# KiCad board sun3_60_layout2_routing2.kicad_pcb (continued)
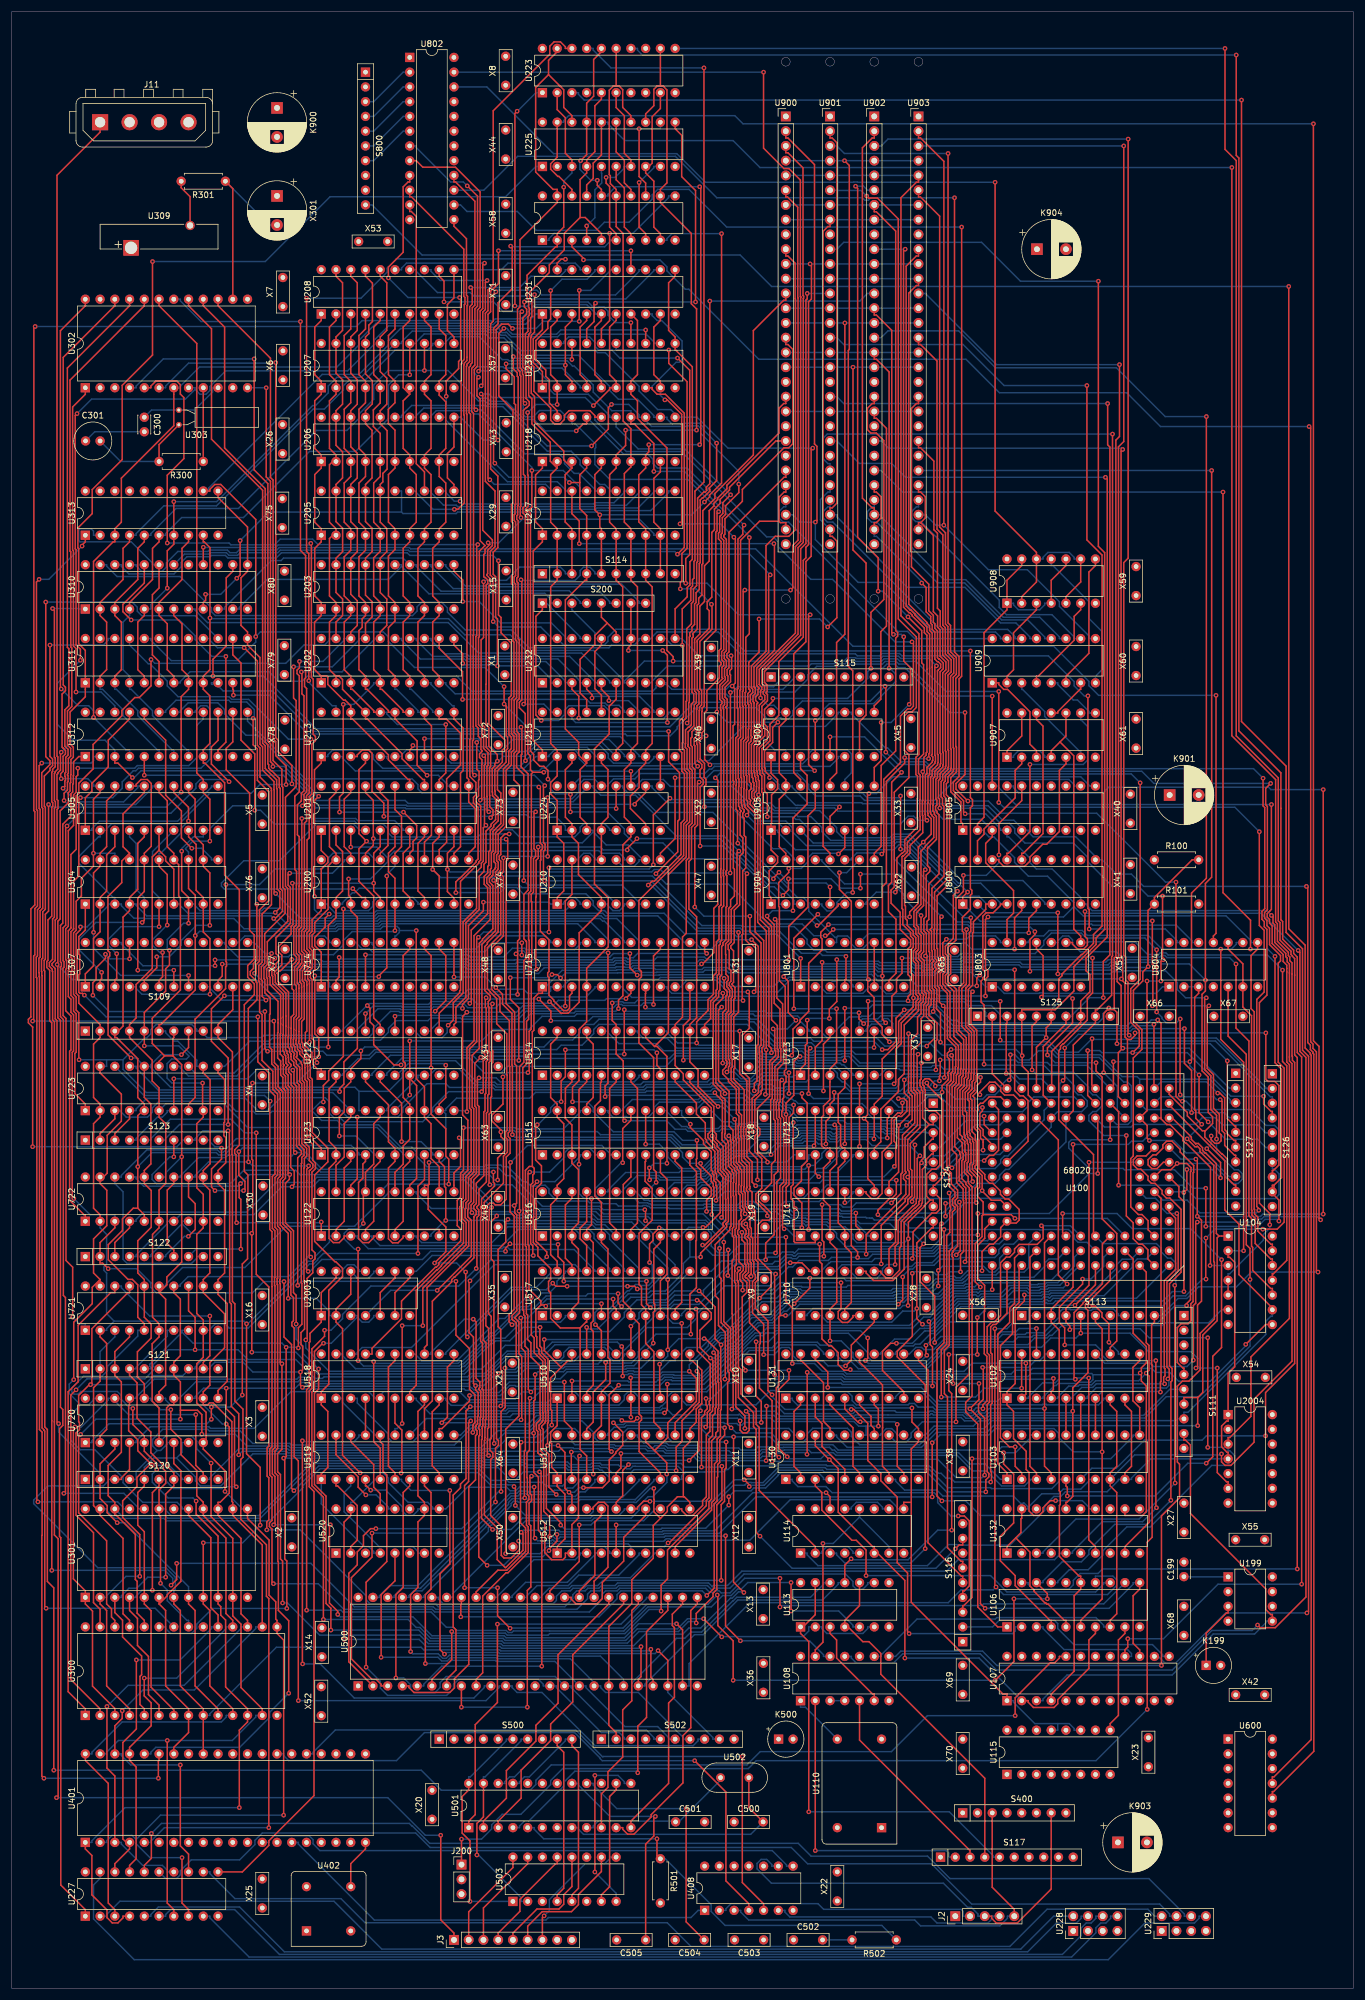
[diagram p0: board, top side]
## Routing (per net, layer and track width the routed paths; a pad name or vN(x,y) marks a point on that pad's centre or on a via; arc(x,y) is an arc through that point) (continued)
/E.CS-: length 334
  Top w0.25: U519.5 63.5,93 62.37,94.13 v1(62.37,107.91) ; v1(144.62,73.97) 143.53,72.87 U113.11 ; U516.22 96.52,136.03 95.39,134.91 95.39,125.72 96.52,124.59 U517.22 ; v1(108.42,58.84) 108.42,53.67 107.96,53.21 U500.20 ; U100.79 201.08,138.02 201.08,136.32 201.95,135.45 v1(201.95,119.98) ; v1(166.35,115.5) v1(166.35,109.14) ; v1(161.94,78.9) 161.94,102.42 161.44,102.92 v1(161.44,109.14) ; U520.15 58.42,81.43 57.26,80.28 v1(57.26,60.09)
  Bottom w0.25: U520.15 58.42,83.69 58.7,83.69 62.37,87.36 62.37,87.64 U519.5 ; v1(144.62,73.97) 144.8,73.79 154.43,73.79 159.54,78.9 v1(161.94,78.9) ; v1(201.95,119.98) 199.95,119.98 198.34,118.36 179.82,118.36 179.37,117.91 178.41,117.91 178.24,118.09 178.13,118.09 177.82,117.77 172.46,117.77 172,117.32 168.17,117.32 v1(166.35,115.5) ; v1(57.26,60.09) 70.2,60.09 71.43,58.86 84.14,58.86 84.45,58.56 108.14,58.56 v1(108.42,58.84) ; v1(166.35,109.14) v1(161.44,109.14) ; v1(62.37,107.91) 62.68,107.61 76.91,107.61 77.29,107.99 77.65,107.99 82.51,112.85 83.11,112.85 87.64,117.38 88.98,117.38 91.34,119.75 92.63,119.75 93.95,121.06 93.95,121.76 95.39,123.21 95.39,123.47 U517.22 ; U500.20 109.09,52.08 109.09,52.36 117.62,60.9 119.12,60.9 125.09,66.87 139.69,66.87 142.4,69.58 142.4,69.86 U113.11
/E.HOLD-: length 122.4
  Top w0.25: v1(63.65,57.01) 63.65,67.79 66.04,70.17 U520.5
  Bottom w0.25: 100.9,52.08 96.23,56.75 83.7,56.75 83.52,56.93 75.6,56.93 75.05,56.38 74.08,56.38 73.45,57.01 v1(63.65,57.01) ; 100.9,52.08 U500.17 ; 100.9,52.08 101.47,52.08 101.47,51.8 102.31,50.95 106.83,50.95 ; 106.83,50.95 107.96,50.95 115.71,43.2 115.71,42.92 S502.7 ; 106.83,50.95 106.83,52.57 114.55,60.28 115.95,60.28 117.03,61.35 118.86,61.35 124.25,66.74 124.32,66.74 124.92,67.34 137.62,67.34 139.86,69.58 139.86,69.86 U113.12
/E.IRQ-: length 213.1
  Top w0.25: v1(44.78,178.2) 44.6,178.03 44.6,176.21 43.92,175.53 43.92,174.04 44.07,173.89 44.07,171.78 45.89,169.96 45.89,166.85 45.89,166.85 45.89,166.25 45.89,166.25 45.89,164.6 45.83,164.54 45.83,160.19 46.34,159.68 46.34,158.95 46.35,158.94 46.35,157.23 46.73,156.86 46.73,155.05 46.83,154.95 46.83,154.95 46.92,154.86 46.92,154.79 47.17,154.54 47.17,139.49 46.72,139.04 46.72,131.63 48.1,130.25 48.1,119.39 48.55,118.94 48.55,114.96 48.28,114.69 48.28,114.09 48.67,113.7 48.67,91.54 49.39,90.82 v1(49.39,49.55)
  Bottom w0.25: v1(44.78,178.2) 43.64,178.2 41.77,180.08 U307.13 ; S502.8 118.25,42.92 118.25,42.63 117.41,41.79 100.52,41.79 91.35,50.95 87.07,50.95 86.23,51.8 86.23,52.08 U500.11 83.97,52.08 83.97,51.8 81.72,49.55 v1(49.39,49.55)
/E.REQ-: length 120.2
  Top w0.25: v1(89.53,118.96) 89.53,112.49 90.02,112.01 90.02,109.46 90.51,108.97 91.49,107.99 91.49,99.14 91.54,99.09 91.54,97.79 91.42,97.67 91.42,97.56 90.85,96.99 90.85,96.33 91.11,96.08 91.11,92.56 92.12,91.55 92.12,82.64 94.59,80.17 v1(94.59,79.77) ; v1(123.54,84.66) v1(123.54,83.21)
  Bottom w0.25: U518.14 69.71,109.22 69.71,109.01 70.66,108.06 76.72,108.06 84,115.34 84.96,115.34 88.59,118.96 v1(89.53,118.96) ; v1(94.59,79.77) 95.28,79.07 111.87,79.07 112.03,79.23 119.57,79.23 v1(123.54,83.21) ; U130.4 139.86,87.64 139.86,87.92 139.01,88.77 132.41,88.77 132.02,88.37 132.02,88.29 129.89,86.17 127.87,86.17 127.37,85.67 124.55,85.67 v1(123.54,84.66)
/EN.CAS: length 244
  Top w0.25: U804.11 207.02,181.2 207.48,181.66 v1(207.48,222.64)
  Bottom w0.25: U310.21 21.45,245.12 21.45,244.93 22.38,243.99 25.94,243.99 26.67,244.72 26.67,245.45 28.63,247.41 33.82,247.41 34.06,247.65 37.17,247.65 37.62,247.2 38.73,247.2 39.18,247.65 45.66,247.65 46.1,248.08 51.23,248.08 51.24,248.08 51.84,248.08 51.84,248.08 68.51,248.08 68.74,247.85 128.16,247.85 144.93,231.09 179.52,231.09 185.58,225.03 185.58,224.3 187.25,222.64 v1(207.48,222.64)
/EN.DEV-: length 276.3
  Top w0.25: v1(118.05,146.01) 118.05,142.87 117.95,142.78 117.95,141.67 118.71,140.91 118.71,139.58 120.53,137.76 120.53,136.52 119.72,135.72 v1(119.72,133.78) ; U102.18 v1(176.55,113.62) ; v1(157.12,128.19) 156.47,127.54 156.47,121.74 159.01,119.19 v1(159.01,111.2) ; v1(96.62,152.65) 96.62,155.18 97.74,156.3 97.74,165.11 99.06,166.43 U715.4 99.06,175.64 102.78,179.36 102.78,187.78 100.4,190.16 100.4,213.44 102.94,215.97 102.94,220.75 104.14,221.95 U232.6
  Bottom w0.25: v1(157.12,128.19) 155.04,130.26 152.71,130.26 151.27,131.7 146.15,131.7 145.65,132.2 140.89,132.2 140.66,132.42 137.07,132.42 137.07,132.42 136.99,132.42 136.79,132.62 134.18,132.62 133.85,132.96 132.49,132.96 131.69,133.75 128.06,133.75 127.23,134.58 126.49,134.58 125.88,133.97 119.91,133.97 v1(119.72,133.78) ; v1(159.01,111.2) 160.04,112.23 169.69,112.23 170.51,113.06 172.31,113.06 172.36,113.01 172.96,113.01 173.57,113.62 v1(176.55,113.62) ; U232.6 103.01,224.8 103.01,225.08 98.18,229.92 80.46,229.92 75.21,235.16 33.74,235.16 31.61,237.3 31.61,237.5 U310.8 ; v1(96.62,152.65) 99.17,152.65 100.19,151.63 100.19,150.96 103.66,147.49 114.1,147.49 115.58,146.01 v1(118.05,146.01)
/EN.E-: length 210.4
  Top w0.25: U310.16 v1(33.02,248.13) ; U519.1 53.34,88.58 54.47,89.71 54.47,99.35 53.34,100.47 U518.1 53.34,102.73 54.63,104.02 54.63,120.2 57.01,122.58 57.01,123.96 55.84,125.13 55.68,125.13 52.2,128.61 52.2,140.04 54.48,142.31 54.48,144.68 51.8,147.36 51.8,156.52 51.44,156.88 51.44,158.9 51.42,158.91 51.42,159.58 51.28,159.72 51.28,160.62 50.53,161.37 50.53,161.72 50.15,162.1 50.15,162.71 49.95,162.91 49.95,162.92 49.96,162.92 49.96,166.49 50.41,166.93 50.41,172.57 50.4,172.57 50.4,173.17 50.1,173.47 50.1,175.2 50.41,175.5 50.41,175.61 50.65,175.85 50.65,175.92 50.76,176.02 50.76,176.08 50.89,176.21 50.89,178.31 50.41,178.79 50.41,181.93 50.86,182.37 50.86,189.21 50.89,189.25 50.89,197.72 51.27,198.1 51.27,205.2 51.72,205.65 51.72,214.22 52.34,214.84 52.34,215.55 51.95,215.94 51.95,225.42 51.64,225.73 51.64,248.7 v1(51.54,248.81)
  Bottom w0.25: U519.1 53.34,83.44 60.71,76.07 61.53,76.07 62.37,75.22 62.37,74.94 U520.4 ; v1(51.54,248.81) 51.27,248.54 45.91,248.54 45.48,248.1 33.05,248.1 v1(33.02,248.13)
/EN.UART-: length 336.8
  Top w0.25: U311.11 38.1,223.67 38.21,223.56 v1(38.21,222.67) ; v1(150.6,212.85) 150.6,224.08 v1(150.46,224.21) ; v1(189.02,111.25) 189.02,114.43 187.83,115.62 187.83,116.32 186.68,117.47 v1(185.7,117.47) ; v1(216.89,207.47) 216.03,206.62 216.03,203.8 216.32,203.51 216.32,185.72 215.84,185.24 215.84,184.26 216.24,183.86 216.24,182.99 216.69,182.53 216.69,179.72 218.59,177.83 218.59,176.92 218.19,176.53 218.19,159.47 219.21,158.44 219.21,131.93 218.01,130.73 v1(215.53,130.73) ; v1(205.74,129.2) 205.7,129.15 205.7,122.17 v1(205.75,122.12)
  Bottom w0.25: v1(150.6,212.85) 152.71,210.74 157.29,210.74 158.47,209.56 194.68,209.56 196.76,207.47 v1(216.89,207.47) ; v1(185.7,117.47) 198.31,117.47 200.08,119.24 202.25,119.24 205.14,122.12 v1(205.75,122.12) ; v1(38.21,222.67) 44.38,222.67 51.06,215.99 105.71,215.99 106.01,215.68 113.46,215.68 114.64,216.86 114.64,217.2 117.95,220.51 128.24,220.51 130.16,218.59 131.53,218.59 131.71,218.77 132.5,218.77 132.69,218.58 133.87,218.58 134.56,219.27 134.56,219.99 136.23,221.66 147.91,221.66 v1(150.46,224.21) ; v1(205.74,129.2) 207.27,130.73 v1(215.53,130.73) ; U102.12 190.66,109.22 190.66,109.61 v1(189.02,111.25)
/Ethernet/A0: length 708.9
  Top w0.25: U230.1 91.44,278.37 89.86,279.95 89.86,284 91.44,285.58 U231.1 ; U300.10 35.56,48.13 31.61,52.08 31.61,65.07 30.48,66.19 U301.8 ; U510.2 v1(96.52,104.59) ; 167.36,133.22 172.18,133.22 v1(172.83,132.58) ; 167.36,133.22 167.36,135.4 166.42,136.33 166.42,137.62 166.74,137.94 166.74,139.74 166.29,140.19 166.29,140.22 165.5,141.01 165.5,141.76 165.72,141.98 165.72,145.67 165.55,145.84 165.55,146.38 165.12,146.81 165.12,147.2 164.99,147.32 164.99,147.67 164.98,147.68 164.98,151.61 164.99,151.62 164.99,152.73 164.73,152.99 164.73,154.09 165.36,154.72 165.36,154.76 165.45,154.85 165.45,156.11 165.73,156.39 165.73,157.35 165.81,157.43 165.81,164.78 164.81,165.78 164.81,172 165.54,172.74 165.54,181.69 165.68,181.84 165.68,183.67 167.8,185.78 167.8,186.7 U800.3 ; 167.36,133.22 167.18,133.04 167.18,129.43 165.99,128.25 165.99,121.65 v1(166.88,120.76) ; v1(8.1,97.24) 7.82,97.51 7.82,166.63 7.51,166.94 7.51,175.61 6.96,176.16 6.96,176.44 7.51,176.99 7.51,183.93 7.82,184.25 7.82,202.99 7.99,203.16 7.99,204.52 7.82,204.69 7.82,209.01 7.96,209.15 7.96,209.3 8.42,209.75 8.42,212.71 v1(8.55,212.85) ; v1(11.85,228.68) 11.85,230.58 11.1,231.33 11.1,247.72 10.96,247.85 10.96,270.83 v1(11.27,271.14) ; v1(18.19,80.18) 16.46,81.9 16.46,83.14 15.24,84.36 S120.2 15.24,90.31 17.78,92.85 U720.3 ; v1(107.34,203.87) 107.34,204.01 109.22,205.89 U224.10 ; v1(20.81,208.47) 18.31,210.97 17.78,210.97 U312.3
  Bottom w0.25: v1(11.27,271.14) 13.78,273.65 29.94,273.65 31.61,275.32 ; U100.30 188.75,132.58 v1(172.83,132.58) ; U800.3 167.99,186.7 166.64,188.04 162.79,188.04 158.16,192.66 158.16,192.92 153.7,197.38 152.47,197.38 151.84,196.76 136.9,196.76 134.49,199.17 134.49,199.87 133.36,201 128.72,201 125.54,204.18 112.91,204.18 110.35,206.74 110.35,207.02 U224.10 ; 10.59,214.92 8.55,212.87 v1(8.55,212.85) ; 10.59,214.92 16.09,214.92 17.78,213.23 U312.3 ; 10.59,214.92 7.81,217.7 7.81,224.64 v1(11.85,228.68) ; U231.1 90.31,288.3 88.56,286.55 84.22,286.55 83.92,286.25 83.38,286.25 83.15,286.02 82.41,286.02 82.18,286.25 64.92,286.25 62.37,283.7 62.37,283 57.88,278.51 36.87,278.51 34.16,275.8 34.16,275.15 33.49,274.47 32.45,274.47 31.61,275.32 ; 31.61,275.32 31.61,275.6 U302.8 ; v1(8.1,97.24) 8.1,95.81 15.14,88.77 15.24,88.77 S120.2 ; v1(18.19,80.18) 19.46,80.18 30.48,69.16 U301.8 ; v1(107.34,203.87) 92.85,203.87 92.75,203.77 81.71,203.77 81.35,203.41 80.25,203.41 80.09,203.57 68.13,203.57 67.99,203.71 52.73,203.71 51.66,204.78 51.66,205.06 47.08,209.64 22.29,209.64 21.12,208.47 v1(20.81,208.47) ; v1(166.88,120.76) 166.48,120.35 165.43,120.35 165.38,120.3 164.6,120.3 164.39,120.09 162.09,120.09 158.03,116.04 156.57,116.04 154.69,114.15 128.75,114.15 127.44,112.84 127.43,112.84 126.74,112.15 126.74,112.14 124.71,110.11 124.07,110.11 123.81,109.85 123.65,109.85 118.88,105.08 113.97,105.08 113.83,105.22 112.46,105.22 111.97,104.74 111.34,104.74 111,104.4 106.33,104.4 106.15,104.59 v1(96.52,104.59)
/Ethernet/A1: length 792.4
  Top w0.25: v1(89.46,102.69) 89.01,103.14 89.01,110.01 88.44,110.58 88.44,115.75 88.21,115.98 88.21,116.66 88.05,116.81 88.05,133.46 88.13,133.53 88.13,134.13 88.05,134.21 88.05,158.49 88.7,159.14 88.7,166.51 89.06,166.86 89.06,177.15 89.15,177.24 89.15,180.44 89.06,180.53 89.06,188.54 89.45,188.93 89.45,194.72 89.58,194.85 89.58,195.99 89.54,196.03 89.54,209.13 89.8,209.39 ; v1(88.89,271.32) 88.89,271.32 88.89,260.6 88.98,260.52 88.98,255.16 88.53,254.71 88.53,254.24 88.92,253.85 88.92,212.63 89.38,212.18 89.38,209.82 89.8,209.39 ; v1(110.12,58.39) 110.12,53.59 110.5,53.21 U500.21 ; U401.32 U300.9 33.02,48.13 29.07,52.08 29.07,65.07 27.94,66.19 U301.7 ; v1(192.03,146.85) 192.03,133 193.2,131.82 193.2,129.07 194.16,128.12 194.79,128.12 195.74,127.17 195.74,125.58 U100.2 ; U231.2 93.98,287.17 92.85,286.05 92.85,277.85 93.98,276.73 U230.2 v1(93.98,272.72) ; U302.7 27.94,269.06 18.91,260.03 18.91,252.45 17.78,251.33 U313.3 17.78,249.07 17.5,249.07 14.11,245.69 v1(14.11,218.84) ; v1(167.51,159.12) 167.51,169.33 167.01,169.83 167.01,173.45 167.31,173.75 167.31,173.98 167.73,174.4 167.73,175 167.31,175.43 167.31,184.62 167.89,185.2 169.09,185.2 170.34,186.45 170.34,186.7 U800.4 ; 89.8,209.39 v1(91.67,209.39) ; S120.3 18.91,87.64 18.91,87.92 20.32,89.34 U720.4 ; U224.11 v1(106.68,209.57)
  Bottom w0.25: v1(167.51,159.12) 167.68,158.96 177.8,158.96 179.01,157.75 182.95,157.75 185.52,155.18 185.52,154.59 186.25,153.85 186.83,153.85 187.79,152.89 187.79,151.9 186.86,150.97 186.23,150.97 185.57,150.31 185.57,149.4 188.11,146.85 v1(192.03,146.85) ; v1(106.68,209.57) 91.85,209.57 v1(91.67,209.39) ; U231.2 92.85,288.3 92.85,289 92.43,289.43 90.43,289.43 88,287 83.49,287 82.97,286.47 82.59,286.47 82.37,286.7 62.78,286.7 59.83,283.75 59.83,282.96 56.04,279.17 32.36,279.17 29.07,275.88 29.07,275.6 U302.7 ; 62.94,101.6 62.37,101.6 62.37,101.88 61.51,102.74 48.11,102.74 41.8,96.43 34.26,96.43 33.98,96.71 23.89,96.71 21.45,94.26 21.45,93.98 U720.4 ; 62.94,101.6 U518.5 ; 62.94,101.6 64.08,102.74 77.18,102.74 78.57,101.35 83.55,101.35 83.65,101.45 86.74,101.45 87.97,102.69 v1(89.46,102.69) 89.97,103.2 101.59,103.2 103.01,101.78 103.01,101.6 U510.5 ; U224.11 107.81,207.02 107.81,207.3 108.65,208.15 112.27,208.15 113.45,206.96 124.13,206.96 127.85,203.24 130.94,203.24 131.39,202.79 135.07,202.79 135.07,202.79 139.19,202.79 142.11,199.87 142.11,199.17 143.17,198.12 151.28,198.12 151.91,198.74 154.64,198.74 163.09,190.29 166.94,190.29 170.34,186.89 170.34,186.7 U800.4 ; v1(110.12,58.39) 109.84,58.11 84.26,58.11 84.08,58.28 70.99,58.28 70.54,58.74 45.6,58.74 34.15,47.28 34.15,47 U300.9 ; v1(14.11,218.84) 19.73,213.23 20.32,213.23 U312.4 ; S120.3 16.65,87.64 16.65,87.36 15.81,86.51 6.24,86.51 3.8,84.07 3.8,83.47 14.84,72.43 26.58,72.43 28.21,70.8 28.21,68.71 27.94,68.45 U301.7 ; v1(88.89,271.32) 90.29,272.72 v1(93.98,272.72)
/Ethernet/A2: length 581.2
  Top w0.25: v1(106.68,98.34) U510.6 106.68,105.08 v1(106.63,105.13) ; U801.6 U801.11 ; v1(162.74,126.3) 163.41,126.97 163.41,135.24 v1(163.26,135.39) ; 25.4,66.19 26.53,65.07 26.53,52.08 30.48,48.13 U300.8 30.48,44.04 27.94,41.5 U401.34 ; 25.4,66.19 26.81,67.61 26.81,67.79 27.5,68.48 27.55,68.48 29.16,70.09 29.16,89.15 27.94,90.37 U720.7 ; 25.4,66.19 U301.6 ; v1(137.51,122.29) 137.51,120.58 v1(134.81,117.88) ; v1(48.28,207.39) 48.28,210.56 45.95,212.89 45.95,214.89 45.49,215.34 v1(45.49,279.93) ; U224.12 v1(104.14,203.14) ; U100.64 170.38,135.71 168.76,135.71 167.19,137.28 v1(167.19,137.36) 167.19,139.95 165.95,141.2 165.95,141.57 166.18,141.8 166.18,145.85 166,146.03 166,146.96 165.44,147.51 165.44,147.86 165.43,147.87 165.43,151.43 165.44,151.44 165.44,152.91 165.18,153.18 165.18,153.9 165.81,154.53 165.81,154.57 165.9,154.66 165.9,155.9 166.18,156.18 166.18,157.17 166.26,157.25 166.26,164.97 165.26,165.97 165.26,171.34 v1(165.53,171.61) ; v1(160.88,135.17) v1(160.88,132.95) ; U312.5 v1(22.86,208.88)
  Bottom w0.25: U801.11 147.48,180.08 147.48,179.88 146.55,178.95 145.54,178.95 144.65,179.84 144.65,180.54 143.99,181.2 142.35,181.2 142.11,180.96 ; U801.14 142.11,180.08 142.11,180.96 ; v1(45.49,279.93) 45.39,279.83 30.48,279.83 26.53,275.88 26.53,275.6 U302.6 ; v1(160.88,132.95) 160.88,133 v1(163.26,135.39) ; v1(137.51,122.29) 143.32,122.29 143.77,121.85 151.69,121.85 154.15,124.3 155.04,124.3 155.7,124.96 158.59,124.96 159.93,126.3 v1(162.74,126.3) ; U720.7 26.81,93.98 26.81,93.75 25.68,92.62 25.07,92.62 ; U801.2 139.57,172.46 139.57,172.17 140.42,171.33 146.63,171.33 147.48,172.17 147.48,172.46 U801.6 149.73,172.46 149.73,172.21 150.65,171.28 154.42,171.28 154.94,171.8 165.35,171.8 v1(165.53,171.61) ; 25.07,92.62 24.27,93.42 24.27,94.51 26.02,96.25 33.79,96.25 34.07,95.98 39.38,95.98 41.52,93.84 47.9,93.84 48.18,93.56 76.28,93.56 78.72,96.01 78.72,96.02 79.15,96.45 79.5,96.45 80.22,97.17 88.97,97.17 90.43,98.63 106.4,98.63 v1(106.68,98.34) ; 25.07,92.62 21.45,88.99 21.45,87.64 S120.4 ; v1(160.88,135.17) 161.47,135.17 162.08,135.78 162.08,135.87 162.77,136.57 166.39,136.57 v1(167.19,137.36) ; v1(106.63,105.13) 106.69,105.19 111.79,105.19 112.27,105.67 114.02,105.67 114.16,105.54 118.69,105.54 123.46,110.3 123.63,110.3 123.88,110.56 124.51,110.56 128.55,114.6 131.1,114.6 132.59,116.09 132.59,116.17 133.01,116.59 133.52,116.59 v1(134.81,117.88) ; v1(104.14,203.14) 103.97,203.31 81.9,203.31 81.54,202.95 80.06,202.95 79.9,203.11 67.94,203.11 67.8,203.26 52.42,203.26 v1(48.28,207.39) 46.79,208.88 v1(22.86,208.88) ; 142.11,180.96 141.84,180.96 137.32,185.48 137.32,186.91 136.4,187.83 135.38,187.83 132.64,190.57 132.64,190.66 120.82,202.48 111.15,202.48 107.73,205.89 106.11,205.89 105.27,206.74 105.27,207.02 U224.12
/Ethernet/A3: length 582.2
  Top w0.25: v1(80.73,204.58) 80.98,204.83 80.98,210.77 81.02,210.81 81.02,211.53 80.61,211.95 80.61,212.55 81.02,212.96 81.02,213.14 80.85,213.31 80.85,215.12 80.4,215.57 80.4,216.97 79.97,217.4 79.97,232.77 80.12,232.92 80.12,248.41 v1(80.31,248.59) ; U300.7 27.94,47.94 24.02,51.86 24.02,65.03 22.86,66.19 U301.5 22.86,78.63 21.73,79.75 21.73,85.39 22.86,86.51 S120.5 ; v1(84.73,194.65) 84.73,192.28 84.61,192.17 84.59,192.17 84.28,191.85 84.28,191.85 84.71,191.41 84.71,181.22 82.68,179.19 82.68,172.01 84.12,170.58 84.12,168.23 85.74,166.61 85.74,158.8 85.81,158.73 85.81,147.56 85.54,147.29 85.54,146.69 85.88,146.35 85.88,143.81 85.21,143.14 85.21,135.87 84.24,134.91 83.29,134.91 82.99,135.21 82.35,135.21 81.86,134.72 81.86,134.39 81.83,134.36 81.83,132.51 81.69,132.38 81.69,114.11 82.17,113.62 82.17,96.57 81.98,96.38 81.98,94.67 81.96,94.65 81.96,91.96 v1(82.17,91.75) ; v1(92.34,205.03) 92.35,205.03 v1(92.35,194.91) ; v1(26.81,248.86) 26.81,260.54 29.67,263.4 29.67,273.91 29.07,274.51 29.07,276.12 28.44,276.75 24.86,276.75 23.99,275.88 23.99,275.6 U302.5 ; U100.52 167.63,130.78 167.63,129.14 166.44,127.96 166.44,122.22 167.61,121.06 167.61,116.52 167.55,116.47 167.55,109.28 168.01,108.83 168.01,101.14 167.33,100.46 v1(167.33,99.8) ; v1(116.72,90.92) 118.39,92.59 118.39,99.19 v1(118.66,99.46)
  Bottom w0.25: U510.9 115.43,101.6 115.43,101.32 116.27,100.47 118.66,100.47 ; v1(84.73,194.65) 84.99,194.91 v1(92.35,194.91) ; v1(26.81,248.86) 37.46,248.86 37.77,248.55 45.29,248.55 46.28,249.54 51.85,249.54 52.79,248.59 v1(80.31,248.59) ; 118.66,100.47 128.23,100.47 130.7,102.94 131.5,102.94 131.71,102.73 144.03,102.73 144.8,101.96 144.8,101.2 145.52,100.47 154.44,100.47 154.68,100.71 155.52,100.71 156.15,100.08 158.7,100.08 159.15,99.63 164.23,99.63 164.35,99.5 164.77,99.08 165.38,99.08 165.8,99.5 165.8,99.62 166.16,99.98 167.15,99.98 v1(167.33,99.8) ; 118.66,100.47 v1(118.66,99.46) ; U906.6 142.4,212.1 142.4,211.82 140.98,210.4 121.07,210.4 121.07,210.4 120.6,209.94 120.18,209.94 119.41,209.17 108.29,209.17 107.37,208.25 103.69,208.25 102.73,207.29 102.73,207.02 U224.13 100.47,208.15 98.57,208.15 97.71,207.28 97.71,205.99 96.56,204.85 92.53,204.85 v1(92.34,205.03) 92.1,204.79 80.94,204.79 v1(80.73,204.58) ; S120.5 22.86,89.71 24.47,91.32 28.4,91.32 ; 28.4,91.32 31.67,88.05 31.67,87.37 32.53,86.51 36.04,86.51 41.56,92.03 47.16,92.03 47.43,91.75 82.17,91.75 v1(82.17,91.75) 82.3,91.62 96.85,91.62 97.55,90.92 v1(116.72,90.92) ; 28.4,91.32 29.35,92.28 29.35,93.98 U720.8
/Ethernet/A4: length 557.1
  Top w0.25: v1(41.78,280.56) 41.78,261.45 44.14,259.09 44.14,214.78 44.59,214.33 44.59,211.22 45.01,210.8 v1(45.01,210.39) ; v1(125.28,195.82) 124.96,195.5 124.96,186.77 123.96,185.77 123.96,180.19 123.44,179.67 123.44,178.92 123.61,178.75 123.61,175.57 123.91,175.27 123.91,173.41 123.64,173.14 123.64,172.67 123.94,172.37 123.94,172.24 124.15,172.03 124.15,170.68 123.94,170.47 123.94,168.08 123.49,167.63 123.49,159.99 123.67,159.81 123.67,158.83 123.49,158.65 123.49,158.05 v1(123.22,157.78) ; v1(24.25,68.55) 24.25,85.37 25.4,86.51 S120.6 ; v1(36.98,103.34) 36.98,99.81 38.39,98.4 38.39,86.67 v1(38.7,86.36) ; U301.4 20.32,65.06 21.68,63.7 21.68,59.05 23.57,57.16 23.57,50.59 25.4,48.77 U300.6 ; v1(167.17,123.57) 167.17,126.85 168.45,128.13 169.11,128.13 170.38,129.4 170.38,130.99 U100.51 171.77,131.78 173.06,131.78 173.57,132.29 173.57,134.11 171.77,135.92 171.15,135.92 170.34,136.72 170.34,137.28 169.02,138.61 168.47,138.61 167.64,139.44 167.64,140.14 166.63,141.16 166.63,146.04 166.45,146.22 166.45,147.49 165.89,148.05 165.89,151.24 165.9,151.25 165.9,153.32 165.63,153.59 165.63,153.72 166.26,154.35 166.26,154.38 166.35,154.47 166.35,155.49 166.91,156.05 v1(166.91,156.86)
  Bottom w0.25: v1(41.78,280.56) 26.12,280.56 21.45,275.88 21.45,275.6 U302.4 ; U720.13 31.61,101.6 31.61,101.88 33.06,103.34 v1(36.98,103.34) 48.86,103.34 49.85,104.33 50.45,104.33 51.11,103.67 78.87,103.67 79.11,103.43 79.24,103.43 79.63,103.05 82.64,103.05 84.55,104.95 94.5,104.95 95.71,106.16 105.99,106.16 106.14,106.31 107.12,106.31 107.27,106.16 111.48,106.16 113.41,108.09 114.3,108.09 U510.12 115.43,109.22 115.43,109.5 116.27,110.35 118.8,110.35 128.04,119.58 131.15,119.58 132.43,120.87 136.04,120.87 136.17,120.74 143.77,120.74 144.07,121.03 158.06,121.03 159.19,122.16 160.96,122.16 161.42,122.61 162.43,122.61 162.69,122.35 163.46,122.35 164.68,123.57 v1(167.17,123.57) ; U301.4 21.45,67.32 21.45,67.53 22.47,68.55 v1(24.25,68.55) ; 99.43,207.02 100.19,207.02 100.19,206.74 101.48,205.44 107.46,205.44 114.47,198.43 122.67,198.43 v1(125.28,195.82) 130.79,190.31 131.77,190.31 134.78,187.31 134.78,186.7 U904.3 ; 99.43,207.02 U224.14 ; 99.43,207.02 96.74,204.32 92.67,204.32 92.65,204.3 81.61,204.3 81.17,203.86 80.43,203.86 80.27,204.02 68.32,204.02 67.8,204.54 52.54,204.54 52.12,204.96 52.12,205.25 46.98,210.39 v1(45.01,210.39) ; v1(166.91,156.86) 166.21,157.56 159.83,157.56 159.71,157.43 153.68,157.43 152.9,156.65 152.9,155.59 152.32,155.01 144.58,155.01 143.51,156.08 143.07,156.08 142.25,156.89 142.25,157.56 141.44,158.37 134.96,158.37 134.94,158.39 129.1,158.39 127.34,156.63 125.64,156.63 124.49,157.78 v1(123.22,157.78) ; S120.6 26.53,87.64 26.53,87.44 27.91,86.06 36.22,86.06 36.53,86.36 v1(38.7,86.36)
/Ethernet/A5: length 301.4
  Top w0.25: v1(131.51,184.09) 131.81,183.79 131.81,170.51 132.81,169.51 132.81,162.12 132.97,161.96 132.97,159.29 131.93,158.25 131.93,152.87 131.72,152.66 131.72,151.26 131.77,151.21 131.77,149.81 132,149.58 132,140.69 131.36,140.05 131.36,129.78 129.89,128.31 v1(129.89,125.46) ; U300.5 22.86,48.13 22.12,48.87 22.12,53.72 22.39,54 22.39,57.23 19.11,60.52 19.11,63.39 17.78,64.71 U301.3 ; U510.15 v1(106.68,114.01) ; U904.6 142.4,186.7 142.4,186.42 139,183.01 v1(138.74,183.01) ; U720.14 27.94,100.47 27.23,100.47 26.7,99.94 26.7,90.01 27.94,88.77 S120.7 27.94,86.51 26.53,85.11 v1(26.53,70.8)
  Bottom w0.25: v1(26.53,70.8) 23.45,70.8 21.55,68.9 20.2,68.9 18.91,67.6 18.91,67.32 U301.3 ; v1(131.51,184.09) 137.67,184.09 v1(138.74,183.01) ; U510.15 105.55,109.22 105.55,108.94 104.71,108.09 103.6,108.09 102.96,108.74 102.96,109.54 102.13,110.37 96.02,110.37 95.11,109.45 95.11,108.75 94.45,108.09 93.51,108.09 92.8,108.8 85.7,108.8 81.85,104.95 81.61,104.95 81.17,104.51 79.06,104.51 78.67,104.12 51.83,104.12 51.17,104.78 49.66,104.78 49.33,104.44 31.73,104.44 29.07,101.79 29.07,101.6 U720.14 ; U100.39 168.11,128.73 162.27,128.73 161.42,127.88 159.51,127.88 158.63,127 156.13,127 155.82,127.3 135.56,127.3 134.88,126.62 134.78,126.62 134.62,126.79 132.77,126.79 131.89,125.91 130.34,125.91 v1(129.89,125.46) 124.72,125.46 124.05,124.79 123.76,124.79 119.17,120.19 119.17,119.76 118.77,119.36 114.2,119.36 112.93,118.09 110.24,118.09 110.24,118.09 109.86,118.09 108.08,116.31 108.08,115.41 v1(106.68,114.01)
/Ethernet/A6: length 308.1
  Top w0.25: U720.17 20.32,100.47 20.16,100.31 20.16,96.02 21.73,94.44 21.73,92.58 23.96,90.35 ; 23.96,90.35 21.59,87.98 21.59,86.41 19.13,83.95 19.13,81.08 22.08,78.14 v1(22.08,70.95) ; 23.96,90.35 v1(24.24,90.06) ; v1(142.6,192.1) 142.6,189.22 144.65,187.17 144.65,127.89 145.73,126.81 v1(145.73,125.86) ; U300.4 20.32,48.13 16.37,52.08 16.37,65.07 15.24,66.19 U301.2
  Bottom w0.25: v1(22.08,70.95) 19.71,70.95 16.37,67.6 16.37,67.32 U301.2 ; U100.26 168.9,127.02 162.43,127.02 162.39,126.98 159.88,126.98 158.95,126.04 155.8,126.04 155.45,126.4 148.32,126.4 147.58,125.65 145.94,125.65 v1(145.73,125.86) 141.22,125.86 140.69,125.33 135.65,125.33 134.54,124.22 133.85,124.22 130.61,120.97 122.9,120.97 118.11,116.18 118.11,115.49 116.41,113.79 109.45,113.79 104.88,109.22 U510.16 102.54,110.82 93.58,110.82 92.01,109.25 85.51,109.25 81.67,105.41 79.32,105.41 78.64,104.73 77.45,104.73 77.29,104.57 52.02,104.57 51.35,105.23 49.48,105.23 49.14,104.9 24.54,104.9 21.45,101.8 21.45,101.6 U720.17 ; S120.8 29.35,87.64 29.35,87.83 27.12,90.06 v1(24.24,90.06) ; v1(142.6,192.1) 143.85,192.1 U904.10
/Ethernet/A7: length 349.5
  Top w0.25: U510.19 96.52,108.09 95.84,108.09 94.67,106.92 ; v1(31.73,98.8) 31.73,90.06 33.02,88.77 S120.9 ; v1(91.75,111.72) 91.75,109.84 94.67,106.92 ; v1(156.67,184.72) 156.67,181.93 157.12,181.47 157.12,178.49 156.69,178.06 156.69,177.46 157.12,177.03 157.22,176.93 157.22,175.13 157.24,175.11 157.24,171.63 157.57,171.3 157.57,170.76 157.49,170.68 157.49,169.74 157.12,169.37 157.12,167.42 156.67,166.97 156.67,162.85 155.41,161.59 155.41,155.75 155.4,155.75 155.4,154.76 156.03,154.13 156.03,154.02 156.03,154.02 156.03,148.6 153.91,146.49 153.91,140.74 154.05,140.6 154.05,140.41 153.64,140 153.64,139.4 154.05,138.99 154.05,136.73 153.48,136.16 153.48,136.05 147.21,129.77 v1(147.21,126.42) ; v1(10.92,96.68) 10.64,96.4 10.64,70.51 12.7,68.45 U301.1 12.7,66.19 13.94,64.96 13.94,52.04 17.78,48.2 U300.3 ; 94.67,106.92 92.84,105.09 92.84,99.7 93.05,99.49 v1(93.05,97)
  Bottom w0.25: 17.33,101.6 20.13,98.8 v1(31.73,98.8) ; 17.33,101.6 U720.18 ; 17.33,101.6 16.65,101.6 16.65,101.32 12.01,96.68 v1(10.92,96.68) ; U904.13 139.57,194.32 139.57,194.09 143.48,190.18 151.83,190.18 153.76,188.25 153.76,187.63 v1(156.67,184.72) ; v1(93.05,97) 91.42,95.36 90.73,95.36 90.23,94.86 85.5,94.86 83.57,92.93 81.31,92.93 81.03,92.65 47.81,92.65 47.53,92.93 39.16,92.93 34.15,87.92 34.15,87.64 S120.9 ; U100.38 170.13,128.2 162.97,128.2 162.2,127.43 159.69,127.43 158.81,126.55 155.94,126.55 155.64,126.85 147.63,126.85 v1(147.21,126.42) 146.82,126.81 139.64,126.81 139.37,126.54 135.44,126.54 134.99,126.09 134.67,126.09 134.43,126.34 133.41,126.34 132.26,125.18 131.5,125.18 131.05,124.73 124.63,124.73 123.36,123.47 123.08,123.47 122.65,123.04 122.65,122.04 118.38,117.76 114.08,117.76 113.51,117.19 111.48,117.19 110.63,116.34 110.63,115.63 106.73,111.72 v1(91.75,111.72)
